# Altium PCB POETIC_Processor_V2.PcbDoc (part 2 of 4)
Units mm, origin at the board's own origin, x right, y up, seen from the top; angles counter-clockwise.
Board outline 210 x 100 mm, 4 copper layers (Top Layer, VCC, GND, Bottom Layer), stack 1.64 mm thick; 405 components, 395 nets, 1590 pads, 394 vias.
Unrouted connection lines stored in the file: 21.
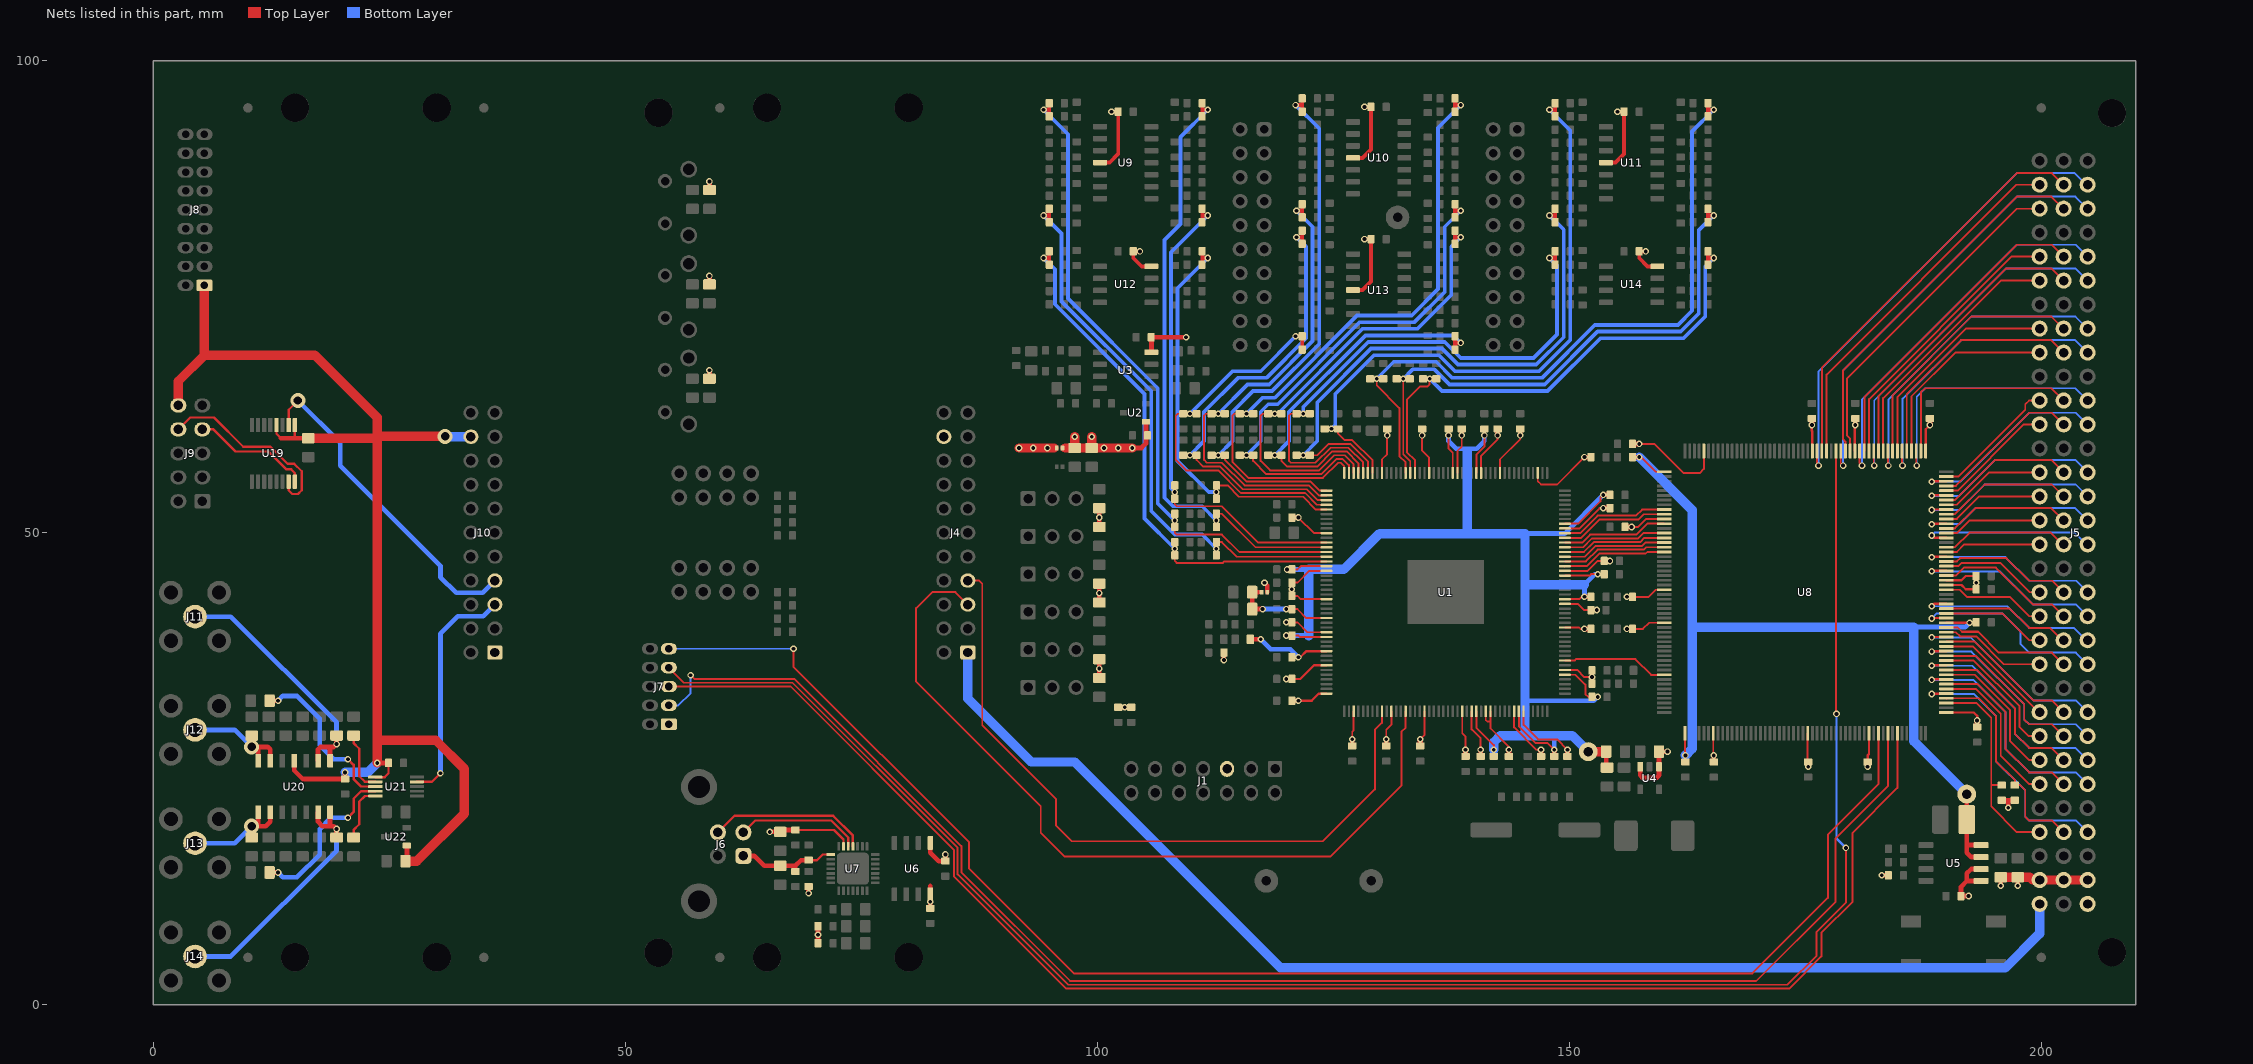
[diagram p4: the nets of this part, all layers, seen from the top]

## Part data
C1 C2 C3 C4 C5 C6 C7 C8 C9 C10 C11 C12 C13 C19 C20 C21 C22 C23 C24 C25 C26 C27 C28 C29 C30 C31 C37 C38 C39 C59 C61 C62 C63 C64 C66 C68 C72 C73 C74 C75 C76 C77 C78 C79 C80 C81 C82 C83 C84 C85 C86 C87 C88 C89 C90 C91 C92 C93 C94 C95 C96 C97 C98 C99 C100 C101 C102 C103 C104 C105 C106 C107 C108 C109 C110 C111 C112 C113 C114 C115 C116 C117 C118 C119 C120 C121 C122 C123 C124 C125 C126 C127 C128 C129 C130 C131 C132 C133 C134 C135 C136 C137 C138 C139 C140 C141 C142 C143 C144 C145 C146 C147 C148 C149 C150 C151 C152 C161 C165 C166: library part Capacitor, "Capacitor X7R 10% 50V 1608(0603)"
C14 C15 C16 C17 C18 C32 C33 C34 C35 C36: library part Capacitor, "Capacitor X7R 10% 10V 1608(0603)"
C41 C42 C44 C45 C47 C49 C50 C53 C54 C55 C56 C57 C58 C65 C67 C159: library part Capacitor, "Capacitor X7R 10% 10V 2012(0805)"
C43 C48 C51 C69 C70 C71 C153 C154 C155 C156 C157 C158 C160 C162 C163 C164: library part Capacitor, "Capacitor X7R 10% 50V 2012(0805)"
C60: library part "Capacitor Polarized", "Capacitor Tantalum 10 % 10V 3528(1311-TAJ-B)"
J1: library part FlatCable2x7, "FlatCable2x7", Manufacturer="Wurth Elektronik", Mouser No.=710-61201421621
J2 J3: library part FlatCable2x10, "FlatCable2x10", Manufacturer="Wurth Elektronik", Mouser No.=710-61202021621
J4 J10: library part PinHeader2x11, "Plug connector"
J5: library part "DIN41612 MALE 3X32 ABC R90", "DIN41612 MALE 3X32 ABC R90", Manufacturer=Harting, Mouser No.=617-09-03-196-6921
J6: library part "USB-B-TH-AMPHENOL UE27-BC54-130", "USB-B-TH-AMPHENOL UE27-BC54-130", Manufacturer="Amphenol ICC", Mouser No.=523-UE27-BC54-130
J7: library part FlatCable2x5, "FlatCable2x5", Manufacturer="Amphenol FCI", Mouser No.=649-98464-G6110ULF
J8: library part FlatCable2x9, "FlatCable2x9", Manufacturer="Amphenol FCI", Mouser No.=649-98464-G61-18ULF
J9: library part FlatCable2x5, "FlatCable2x5", Manufacturer="Wurth Elektronik", Mouser No.=710-61201021721
J11 J12 J13 J14: library part "SMA TH RIGHT ANGLE LINX CONSMA002", "SMA TH RIGHT ANGLE LINX CONSMA002", Manufacturer="Linx Technologies", Mouser No.=712-CONSMA002-G
JP1 JP2 JP3: library part "JUMPER 2 POS", "JUMPER 2 POS"
JP5 JP6 JP7 JP8 JP9 JP10: library part "JUMPER 3 POS", "JUMPER 3 POS"
L1: library part Inductor, "Inductor", Manufacturer="Coiltronics / Eaton", Info="2u2, 4.15A, 16m?", Mouser No.=704-DR73-2R2-R
L2: library part Inductor, "Inductor", Manufacturer=Bourns, Info="220u, 2A, 220?@100Mhz", Mouser No.=652-MH2029-221Y
LD1 LD2 LD3: library part LED, "LED generic"
LD4 LD5: library part "LED Dialight 568-0721-111F", "LED Dialight 568-0721-111F", Manufacturer=Dialight, Mouser No.=645-568-0721-111F
NT3 NT5 NT6: "Connection for 2 different NETNAME"
R1 R2 R3 R4 R5 R6 R7 R8 R9 R10 R11 R12 R13 R14 R15 R16 R18 R19 R20 R21 R22 R23 R24 R25 R26 R27 R28 R29 R39 R40 R41 R42 R43 R44 R45 R46 R47 R48 R49 R50 R51 R52 R53 R54 R55 R56 R57 R58 R59 R60 R61 R62 R63 R64 R65 R66 R67 R68 R69 R70 R71 R72 R73 R74 R75 R76 R77 R78 R79 R80 R81 R82 R83 R84 R85 R86 R87 R88 R89 R90 R91 R92 R93 R94 R95 R96 R97 R98 R99 R100 R101 R102 R103 R104 R105 R106 R107 R108 R109 R110 R111 R112 R113 R114 R115 R116 R117 R118 R119 R120 R121 R122 R123 R124 R125 R126 R127 R128 R129 R130 R131 R132 R133 R134 R135 R136 R137 R138 R139 R140 R141 R142 R143 R144 R145 R146 R147 R148 R149 R150 R151 R152 R153 R154 R155 R156 R157 R158 R159 R160 R161 R162 R163 R164 R165 R166: library part Resistor, "Resistor 1% 50V 100mW 1608(0603)"
R30 R31 R32 R33 R34 R35 R36 R37 R38 R167 R168 R169 R170 R171 R172 R173 R174: library part Resistor, "Resistor 1% 50V 125mW 2012(0805)"
S1: library part "Push Button 4Pins", "Push Button, 4 pins, 2 poles parrallèle", Manufacturer="TE Connectivity / Alcoswitch", Mouser No.=506-FSM2JSMA
S2 S3 S4: library part "Push Button 2Pins", "Push Button, 2 pins", Manufacturer="TE Connectivity / Alcoswitch", Mouser No.=506-FSMRA4JH04
TP1 TP2 TP4: library part "Test Point", "Test Point"
TP6 TP7: library part Hole, "Hole"
U1: library part TMS320F28377S-176P, "TMS320F28377S-176P", Manufacturer="Texas Instruments", Mouser No.=595-MS320F28377SPTPT
U2 U22: library part "REFERENCE SOT23 IN-OUT- GND", "Generic Positive Voltage Reference", Manufacturer="Texas Instruments", Mouser No.=595-REF3130AIDBZTG4
U3 U12 U14: library part "OPA DUAL", "Generic dual OPA 8 pins", Manufacturer="Analog Devices", Mouser No.=584-AD8646ARZ-R7
U4: library part TPS6226x, "2.25-MHz 600-mA Step Down Converter in 2 x 2 SOT Package", Manufacturer="Texas Instruments", Mouser No.=595-TPS62262DDCT
U5: library part TPS766__D, "Ultra Low Quiescent Current 250mA, Low Dropout Regulator", Manufacturer="Texas Instruments", Mouser No.=595-TPS76618DR
U6: library part SI8422, "Optocoupler", Manufacturer="Silicon Labs", Mouser No.=634-SI8422AB-D-ISR
U7: library part CP2102N, "USBXpress", Manufacturer="Silicon Labs", Mouser No.=634-CP2102NA01GQFN28
U8: library part XC2C256-PQFP208, "XC2C256 CoolRunner-II CPLD", Manufacturer=Xilinx, Digikey No.=122-1411-ND
U9 U10 U11 U13 U20: library part "OPA QUAD", "Generic quad OPA 14 pins", Manufacturer="Analog Devices", Mouser No.=584-AD8648ARZ-R7
U19: library part DS90LV047A, "DS90LV047A 3-V LVDS Quad CMOS Differential Line Driver", Manufacturer="Texas Instruments", Mouser No.=926-DS90LV047ATMTCNO
U21: library part DAC124S085CIMM, "DAC124S085 12-Bit Micro Power Quad Digital-to-Analog Converter With Rail-to-Rail Output", Manufacturer="Texas Instruments", Mouser No.=926-DAC124S085CIMMNO
X1: library part "Quartz HC49/4H SMX", "Quartz HC49/4H SMX"
Z1 Z2 Z3 Z4 Z5 Z6 Z7 Z8: library part FIDUCIAL, "FIDUCIAL Din 1mm Dout 3mm"

## Free pads (board coordinates)
  round 3 hole 3: 0(53.5,5.5) 0(53.5,94.5) 0(65,5) 0(65,95) 0(80,5) 0(80,95) 5(15,5) 6(30,5) 7(15,95) 8(30,95)

## Via types
v1: diameter 0.7, hole 0.4, Top Layer to Bottom Layer, tented both sides, 343 vias
v2: diameter 0.7, hole 0.3, Top Layer to Bottom Layer, tented both sides, 42 vias
v3: diameter 1.6, hole 0.9, Top Layer to Bottom Layer, tented both sides, 9 vias

## Nets (pads, with @x,y where several pads share a name; then routed paths per layer and width w, separated by ;. In a path a pad name is that pad's centre, name@x,y a point inside that pad or via, vN(x,y) a via of type N, cw(c..) or ccw(c..) an arc to the next point about the centre after c; other vN are vias at no path point)
+1V2: C14.2 C15.2 C16.2 C17.2 C18.2 C32.2 C33.2 C34.2 C35.2 C36.2 C58.2 L2.2 TP6.1 U1.16 U1.21 U1.61 U1.76 U1.117 U1.126 U1.137 U1.153 U1.158 U1.169 | length 162.6
  Top Layer w0.2: C36.2@120.6,39.1 121.3,39.1 121.45,38.95 U1.76@124.275,38.95 ; C17.2@120.6,46.1 121.2,46.1 121.55,46.45 U1.61@124.275,46.45 ; v1(137.2,60.3) 137.2,58.9 137.65,58.45 U1.21@137.65,56.325 ; U1.117@140.15,31.075 140.15,29.35 142,27.5 v1(142,27) ; U1.16@140.15,56.325 140.15,58.25 141,59.1 v1(141,60.3) ; U1.126@144.65,31.075 144.65,29.496 146.446,27.7 147.7,27.7 v1(148.4,27) ; U1.137@149.525,34.95 150.65,34.95 151.7,33.9 151.7,32.9 152,32.6 C32.2@152.4,32.6 v1(153,32.6) ; U1.153@149.525,42.95 151.05,42.95 151.3,43.2 v1(151.6,43.2) ; U1.158@149.525,45.45 152.15,45.45 152.3,45.6 v1(153,45.6) ; U1.169@149.525,50.95 150.95,50.95 153.3,53.3 153.3,53.7 v1(153.6,54)
  Top Layer w0.5: v1(120,39.1) C36.2@120.6,39.1 ; v1(120.1,46.1) C17.2@120.6,46.1 ; C15.2@148.4,26.3 v1(148.4,27) ; v1(151.6,43.2) C34.2@152.3,43.2 ; v1(153.6,54) C33.2@154.3,54 ; C58.2@153.9,26.8 153.9,25.2 L2.2@154,25.1
  Top Layer w1: TP6.1@152,26.8 C58.2@153.9,26.8
  Bottom Layer w0.5: v1(120,39.1) 122.4,39.1 ; v1(120.1,46.1) 122.4,46.1 ; v1(137.2,60.3) 137.2,59.7 138,58.9 140.2,58.9 141,59.7 v1(141,60.3) ; 145.3,32.2 152.6,32.2 v1(153,32.6) ; 145.3,49.9 149.5,49.9 v1(153.6,54) ; v1(148.4,27) 148.4,28.5 ; v1(151.6,43.2) 151.6,44.5 152.7,45.6 v1(153,45.6)
  Bottom Layer w1: 122.4,39.1 122.4,46.1 126.1,46.1 129.9,49.9 139.2,49.9 ; 139.2,58.6 139.2,49.9 ; v1(142,27) 142,27.8 142.7,28.5 148.4,28.5 150.3,28.5 TP6.1@152,26.8 ; 145.3,28.9 145.3,32.2 145.3,44.5 ; 151.6,44.5 145.3,44.5 ; 139.2,49.9 145.3,49.9 145.3,44.5
+1V8_D: C60.1 C78.2 C86.2 C87.2 TP7.1 U5.7 U5.8 U8.1 U8.53 U8.124 | length 102.8
  Top Layer w0.2: v1(157.4,58) 157.6,58 159.15,56.45 U8.1@160.05,56.45
  Top Layer w0.25: v1@162.25,26.4 U8.53@162.25,28.75 ; U8.124@189.95,40.45 v1(192.4,40.45) 193.05,40.45 C78.2@193.1,40.5
  Top Layer w0.5: C86.2@156.7,58 v1(157.4,58) ; TP7.1@192.1,22.3 C60.1@192.1,19.6 192.1,16.905 ; U5.7@193.621,15.635 192.565,15.635 192.1,16.1 192.1,16.905 ; U5.8@193.621,16.905 192.1,16.905
  Bottom Layer w0.5: 186.5,40 191.95,40 v1(192.4,40.45)
  Bottom Layer w1: v1(157.4,58) 163,52.4 163,40 ; v1(162.3,26.4) 163,27.1 163,40 ; TP7.1@192.1,22.3 186.5,27.9 186.5,40 163,40
+3V3_A: C19.2 C37.2 C39.2 C50.1 C51.1 C59.2 C112.2 C113.2 C138.2 C139.2 C152.2 C166.2 NT5.2 U1.36 U1.54 U2.1 U3.8 U9.4 U10.4 U11.4 U12.8 U13.4 U14.8 | length 65.4
  Top Layer w0.2: v1(121.3,51.6) 122.95,49.95 U1.54@124.275,49.95 ; U1.36@130.15,56.325 130.15,57.75 130.7,58.3 v1(130.7,60.3) C19.2@130.7,61
  Top Layer w0.4: U9.4@100.275,89.2 101.3,89.2 102.2,90.1 C112.2@102.2,94.6 v1(101.5,94.6) ; v1(104.5,79.8) C139.2@103.8,79.8 103.8,79.1 104.695,78.205 U12.8@105.725,78.205 ; U10.4@127.073,89.7 128.1,89.7 129,90.6 C113.2@129,95.1 v1(128.3,95.1) ; U13.4@127.075,75.7 128.1,75.7 129,76.6 C138.2@129,81.1 v1(128.3,81.1) ; U11.4@153.875,89.2 154.9,89.2 155.8,90.1 C152.2@155.8,94.6 v1(155.1,94.6) ; v1(158.1,79.8) C166.2@157.4,79.8 157.4,79.1 158.295,78.205 U14.8@159.325,78.205
  Top Layer w0.5: v1(103.7,58.97) 104.665,58.97 105.15,59.455 U2.1@105.15,61.75 ; U3.8@105.725,69.105 105.725,70.7 v1(109.4,70.7) ; C37.2@120.6,51.6 v1(121.3,51.6)
  Top Layer w1: 96.6,58.97 C51.1@97.6,58.97 ; v1(97.6,60.17) C51.1@97.6,58.97 ; v1(99.4,60.16) C50.1@99.4,58.97 ; v1(103.7,58.97) v1(102.2,58.97) v1(100.7,58.97) C50.1@99.4,58.97 ; C51.1@97.6,58.97 C50.1@99.4,58.97
+3V3_D: C3.2 C4.2 C5.2 C6.2 C7.2 C8.2 C9.2 C10.2 C11.2 C12.2 C20.2 C21.2 C22.2 C23.2 C24.2 C25.2 C26.2 C27.2 C28.2 C29.2 C30.2 C31.2 C38.2 C42.1 C43.1 C56.2 C61.1 C63.2 C72.2 C73.2 C74.2 C75.2 C76.2 C77.2 C79.2 C80.2 C81.2 C82.2 C83.2 C84.2 C85.2 C153.2 C158.2 C161.2 C165.2 J1.5 J4.20 J5.A31 J5.A32 J5.B31 J5.C31 J7.1 J8.1 J9.10 J10.20 NT3.1 NT5.1 R1.2 R2.2 R9.2 R10.2 R11.2 R15.2 R23.2 R30.2 R31.2 R32.2 R33.2 R34.2 R35.2 R36.2 R37.1 R38.1 U1.3 U1.11 U1.15 U1.20 U1.26 U1.62 U1.68 U1.75 U1.82 U1.88 U1.91 U1.99 U1.106 U1.114 U1.116 U1.119 U1.120 U1.125 U1.127 U1.138 U1.147 U1.152 U1.159 U1.168 U4.1 U4.3 U5.5 U5.6 U6.1 U8.11 U8.26 U8.33 U8.59 U8.79 U8.92 U8.105 U8.132 U8.133 U8.157 U8.172 U8.181 U8.204 U19.1 U19.4 U20.4 U21.1 U22.1 | length 357.6
  Top Layer w0.2: C10.2@120.6,40.5 121.2,40.5 122.25,39.45 U1.75@124.275,39.45 ; C9.2@120.6,43.3 121.2,43.3 121.55,42.95 U1.68@124.275,42.95 ; C8.2@120.6,44.7 121.2,44.7 122.45,45.95 U1.62@124.275,45.95 ; C21.2@127,27.4 127,28.9 127.15,29.05 U1.91@127.15,31.075 ; C22.2@130.6,27.4 130.6,29.1 131.15,29.65 U1.99@131.15,31.075 ; v1(134.2,28.1) 134.65,28.55 U1.106@134.65,31.075 ; C7.2@134.4,61 v1(134.4,60.3) 134.4,58.7 135.15,57.95 U1.26@135.15,56.325 ; U1.20@138.15,56.325 138.15,58.65 138.6,59.1 v1(138.6,60.3) ; U1.114@138.65,31.075 138.65,28.75 139,28.4 v1(139,27) ; U1.116@139.65,31.075 139.65,29.15 140.6,28.2 v1(140.6,27) ; U1.15@140.65,56.325 140.65,58.15 142.4,59.9 v1(142.4,60.3) ; U1.119@141.15,31.075 141.15,30.15 141.3,30 141.65,30 ; U1.120@141.65,31.075 141.65,30 ; U1.11@142.65,56.325 142.65,57.75 144.8,59.9 v1(144.8,60.3) ; v1(143.6,27) 143.6,27.3 141.65,29.25 141.65,30 ; U1.125@144.15,31.075 144.15,29.359 146.509,27 146.8,27 v1@146.9,26.9 ; U1.127@145.15,31.075 145.15,29.632 146.682,28.1 148.7,28.1 v1(149.8,27) C26.2@149.8,26.3 ; U1.3@146.65,56.325 146.65,55.45 147,55.1 148.7,55.1 v1(151.6,58) ; U1.138@149.525,35.45 150.85,35.45 151.6,34.7 v1@152.3,34.7 ; U1.147@149.525,39.95 151.05,39.95 151.2,39.8 C28.2@152.3,39.8 ; U1.152@149.525,42.45 150.916,42.45 151.566,41.8 C29.2@152.3,41.8 v1(152.9,41.8) ; U1.159@149.525,45.95 151.95,45.95 153,47 v1(154.3,47) ; U1.168@149.525,50.45 149.55,50.425 151.025,50.425 153.2,52.6 v1(153.6,52.6) ; v1(156.1,39.8) C85.2@156.7,39.8 157.8,39.8 158.45,40.45 U8.33@160.05,40.45 ; v1(156.1,43.2) C73.2@156.7,43.2 158.4,43.2 159.15,43.95 U8.26@160.05,43.95 ; v1(156.6,50.6) 157.3,50.6 158.15,51.45 U8.11@160.05,51.45 ; v1(157.4,59.4) 159,59.4 162.1,56.3 163.8,56.3 164.25,56.75 U8.204@164.25,58.65 ; v1@165.25,26.15 U8.59@165.25,28.75 ; v1@175.25,25.2 U8.79@175.25,28.75
  Top Layer w0.25: U19.4@13.025,61.4 13.025,60.475 13.5,60 ; 14.975,60 U19.1@14.975,61.4 ; U21.1@23.5,24.1 24.5,24.1 24.9,24.5 C161.2@24.9,25.6 ; v1(120,34.5) 121.5,34.5 122.95,35.95 U1.82@124.275,35.95 ; v1(121.3,32.2) 122.7,32.2 123.45,32.95 U1.88@124.275,32.95 ; v1(175.7,61.4) 175.7,60.8 175.75,60.75 U8.181@175.75,58.65 ; U8.172@180.25,58.65 v1@180.25,61.25 ; v1(181.6,25.2) 181.6,26.4 181.75,26.55 U8.92@181.75,28.75 ; U8.157@187.75,58.65 187.75,60.95 v1(188.2,61.4) ; U8.105@189.95,30.95 192.85,30.95 193.2,30.6 v1(193.2,30.1) ; U8.132@189.95,44.45 191.55,44.45 192,44 C84.2@193.1,44 ; U8.133@189.95,44.95 191.55,44.95 192,45.4 C82.2@193.1,45.4
  Top Layer w0.5: 13.5,60 14.975,60 C153.2@16.4,60 ; U20.4@14.899,25.825 14.899,24.801 15.8,23.9 C165.2@20.299,23.9 v1@20.299,24.6 ; v1(23.7,25.6) C161.2@24.9,25.6 ; C158.2@26.7,15.2 26.85,15.35 U22.1@26.85,16.85 ; R32.2@58.9,66.3 v1(58.9,67.2) ; R31.2@58.9,76.3 v1(58.9,77.2) ; R30.2@58.9,86.3 v1(58.9,87.2) ; U6.1@82.305,17.125 82.305,16.095 83.2,15.2 C63.2@83.9,15.2 v1(83.9,15.9) ; R37.1@100.2,34.6 v1(100.2,35.6) R38.1@100.2,36.6 ; R33.2@100.2,42.6 v1(100.2,43.6) R34.2@100.2,44.6 ; R35.2@100.2,50.6 v1(100.2,51.6) R36.2@100.2,52.598 ; R10.2@102.2,31.5 R9.2@103.6,31.5 v1(102.9,31.5) ; v1(113.4,36.5) R2.2@113.4,37.3 ; v1(117.7,44.7) 118,44.4 NT3.1@118,43.7 ; v1(120,40.5) C10.2@120.6,40.5 ; C12.2@120.6,32.2 v1(121.3,32.2) ; C9.2@120.6,43.3 v1(120.6,44) C8.2@120.6,44.7 ; C21.2@127,27.4 v1(127,28.1) ; C22.2@130.6,27.4 v1(130.6,28.1) ; v1(138.6,60.3) C6.2@138.6,61 ; C24.2@139,26.3 v1(139,27) ; C25.2@140.6,26.3 v1(140.6,27) ; v1(142.4,60.3) C5.2@142.4,61 ; C20.2@143.6,26.3 v1(143.6,27) ; v1(144.8,60.3) C4.2@144.8,61 ; C38.2@147,26.3 v1(147,27) ; C26.2@149.8,26.3 v1(149.8,27) ; v1(151.6,39.8) C28.2@152.3,39.8 ; v1(151.6,58) C3.2@152.3,58 ; v1(153.6,52.6) C31.2@154.3,52.6 ; C72.2@155.9,50.6 v1(156.6,50.6) ; C83.2@156.7,59.4 v1(157.4,59.4) ; U4.3@157.5,25.2 157.5,24.3 157.8,24 159.2,24 159.5,24.3 U4.1@159.5,25.2 C56.2@159.5,26.8 v1(160.4,26.8) ; C74.2@165.3,25.7 v1(165.3,26.4) ; v1(175.7,61.4) C81.2@175.7,62.1 ; v1(180.3,61.4) C80.2@180.3,62.1 ; v1(183.1,13.7) R23.2@183.8,13.7 ; v1(188.2,61.4) C79.2@188.2,62.1 ; v1(192.3,11.5) C61.1@191.5,11.5 191.5,12.495 192.1,13.095 ; C77.2@193.2,29.4 v1(193.2,30.1) ; U5.5@193.621,13.095 192.1,13.095 ; U5.6@193.621,14.365 192.565,14.365 192.1,13.9 192.1,13.095 ; v1(195.7,12.6) C42.1@195.7,13.5 C43.1@197.5,13.5 v1(197.5,12.6) ; R15.2@195.8,21.65 196.5,21.65 ; v1(196.5,20.85) 196.5,21.65 ; R11.2@197.2,21.65 196.5,21.65
  Top Layer w0.54: C23.2@134.2,27.4 v1(134.2,28.1)
  Top Layer w1: J9.10@2.63,63.48 2.63,66.03 5.4,68.8 ; J8.1@5.4,76.2 5.4,68.8 ; C153.2@16.4,60 23.7,60 ; v1(23.7,25.6) 23.7,28 ; C158.2@26.7,15.2 27.9,15.2 32.9,20.2 32.9,25 29.9,28 23.7,28 ; v3(30.9,60.2) 23.7,60.2 ; v1(91.7,58.97) v1(93.2,58.97) v1(94.7,58.97) 95.4,58.97 ; C42.1@196,13.5 198.8,13.5 199.1,13.2 J5.C31@199.82,13.2 J5.B31@202.36,13.2 J5.A31@204.9,13.2 ; 5.4,68.8 17.1,68.8 23.7,62.2 23.7,60.2 ; 23.7,28 23.7,60 ; 23.7,60 23.7,60.2
  Bottom Layer w1: v1(20.3,24.6) 22.7,24.6 v1(23.7,25.6) ; v3(30.9,60.2) 30.94,60.16 J10.20@33.63,60.16
  other v1: 175.3,25.2 152.4,34.7 193.1,44.7
+3V3_F: C13.2 C47.1 C48.1 NT3.2 U1.72 | length 10.8
  Top Layer w0.2: C13.2@120.6,41.9 121.2,41.9 122.15,40.95 U1.72@124.275,40.95
  Top Layer w0.5: 117.1,43.7 C48.1@116.4,43.7 C47.1@116.4,41.9 v1(117.5,41.9) ; v1(120,41.9) C13.2@120.6,41.9
  Bottom Layer w0.5: v1(117.5,41.9) v1(120,41.9)
+3V3_USB: C64.2 C67.2 C68.2 R25.2 R26.2 R27.2 U6.8 U7.6 | length 14.8
  Top Layer w0.25: C68.2@68,18.5 72.1,18.5 73.1,17.5 U7.6@73.1,16.75
  Top Layer w0.5: v1(65.3,18.3) C67.2@66.4,18.3 66.6,18.5 C68.2@68,18.5 ; v1(69.4,11.8) R27.2@69.4,12.5 ; v1(70.4,7.4) R25.2@70.4,6.5 R26.2@70.4,8.3 ; C64.2@82.3,10.2 v1(82.3,10.9) ; v1@82.305,10.9 82.305,12.575
+5V_USB: C65.2 C66.2 J6.1 R28.1 U7.8 | length 10.7
  Top Layer w0.253: R28.1@69.4,15.3 70.3,15.3 70.9,15.9 U7.8@71.65,15.9
  Top Layer w0.5: J6.1@62.5,15.75 63.65,15.75 64.7,14.7 C65.2@66.4,14.7 68,14.7 ; C66.2@68,14.1 68,14.7 ; R28.1@69.4,15.3 68.6,15.3 68,14.7
+24V_BP: J4.1 J5.C32 J10.1 | length 134.9
  Bottom Layer w1: J4.1@86.27,37.3 86.27,32.43 93,25.7 97.6,25.7 119.4,3.9 196.2,3.9 199.82,7.52 J5.C32@199.82,10.66
\S\P\I\A\_\S\T\E\: J4.5 J10.5 U1.102 U21.9 | length 111.1
  Top Layer w0.2: J4.5@86.27,42.38 84.95,43.7 82.5,43.7 80.8,42 80.8,34.2 94,21 94,18.2 96.5,15.7 124.7,15.7 132.2,23.2 132.2,28.9 132.65,29.35 U1.102@132.65,31.075
  Top Layer w0.25: U21.9@27.9,23.6 29.5,23.6 v1(30.4,24.5)
  Bottom Layer w0.5: v1(30.4,24.5) 30.4,39.3 32.23,41.13 34.92,41.13 J10.5@36.17,42.38
\S\P\I\C\_\S\T\E\: J4.7 J10.7 U1.97 U19.2 | length 110.8
  Top Layer w0.2: J4.7@86.27,44.92 87.48,44.92 87.8,44.6 87.8,29.6 95.6,21.8 95.6,19 97.3,17.3 123.9,17.3 129.4,22.8 129.4,29.1 130.15,29.85 U1.97@130.15,31.075
  Top Layer w0.25: U19.2@14.325,61.4 14.325,63.025 v3(15.3,64)
  Bottom Layer w0.5: v3(15.3,64) 19.8,59.5 19.8,57.1 30.4,46.5 30.4,45.3 32.07,43.63 34.88,43.63 J10.7@36.17,44.92
\S\P\I\C\_\S\T\E\_\+\: J9.8 U19.15 | length 20.6
  Top Layer w0.25: J9.8@2.63,60.94 3.89,62.2 6.4,62.2 9.5,59.1 12.4,59.1 14.2,57.3 14.9,57.3 15.7,56.5 15.7,54.5 15.3,54.1 14.7,54.1 14.325,54.475 U19.15@14.325,55.4
\S\P\I\C\_\S\T\E\_\-\: J9.7 U19.16 | length 12.6
  Top Layer w0.25: J9.7@5.17,60.94 6.36,60.94 8.7,58.6 12.2,58.6 14.1,56.7 14.6,56.7 14.975,56.325 U19.16@14.975,55.4
ADC_14: C117.2 R96.2 R100.2 R104.1 U1.44 | length 69.5
  Top Layer w0.2: R104.1@116.5,62.6 C117.2@115.1,62.6 114.5,62.6 114.3,62.4 114.3,57.5 116,55.8 123.9,55.8 125.5,57.4 125.8,57.4 126.15,57.05 U1.44@126.15,56.325
  Top Layer w0.4: R96.2@137.9,94.6 137.9,95.3 ; R100.2@137.9,96 137.9,95.3 ; v1(138.5,95.3) 137.9,95.3
  Bottom Layer w0.4: v1(115.8,62.6) 117.5,64.3 118.8,64.3 127.5,73 133.3,73 136.1,75.8 136.1,92.9 v1(138.5,95.3)
ADC_15: C102.2 R71.2 R75.2 R79.1 U1.45 | length 59.9
  Top Layer w0.2: C102.2@113.5,58.2 113.5,57.7 115.8,55.4 122.6,55.4 123.55,54.45 U1.45@124.275,54.45
  Top Layer w0.4: R79.1@112.1,58.2 C102.2@113.5,58.2 ; v1(121,95.3) 121.7,95.3 ; R71.2@121.7,94.6 121.7,95.3 ; R75.2@121.7,96 121.7,95.3
  Bottom Layer w0.4: v1(112.8,58.2) 114.3,59.7 114.3,62.8 116.5,65 118.5,65 123.5,70 123.5,92.8 v1(121,95.3)
ADC_A0: C123.2 R108.2 R112.2 R116.1 U1.43 | length 54.4
  Top Layer w0.2: C123.2@116.5,58.2 116.5,57.6 117.9,56.2 123.7,56.2 125.3,57.8 126,57.8 126.65,57.15 U1.43@126.65,56.325
  Top Layer w0.4: R112.2@137.9,83.4 137.9,84.1 ; R108.2@137.9,84.8 137.9,84.1 ; v1(138.5,84.1) 137.9,84.1
  Bottom Layer w0.4: v1(115.8,58.2) 117.3,59.7 117.3,62.8 118.1,63.6 119.1,63.6 127.8,72.3 133.6,72.3 136.8,75.5 136.8,82.4 v1(138.5,84.1)
ADC_A1: C141.2 R143.2 R145.2 R147.1 U1.42 | length 51.8
  Top Layer w0.2: C141.2@118.1,62.6 117.5,62.6 117.3,62.4 117.3,57.6 118.3,56.6 123.5,56.6 125.1,58.2 126.2,58.2 127.15,57.25 U1.42@127.15,56.325
  Top Layer w0.4: C141.2@118.1,62.6 R147.1@119.5,62.6 ; R143.2@137.9,80.6 137.9,81.3 ; R145.2@137.9,82 137.9,81.3 ; v1(138.5,81.3) 137.9,81.3
  Bottom Layer w0.4: v1(118.8,62.6) 119.1,62.6 128.1,71.6 133.9,71.6 137.5,75.2 137.5,80.3 v1(138.5,81.3)
ADC_A2: C144.2 R149.2 R151.2 R153.1 U1.41 | length 42.4
  Top Layer w0.2: C144.2@119.5,58.2 119.5,57.6 120.1,57 123.3,57 124.9,58.6 126.4,58.6 127.65,57.35 U1.41@127.65,56.325
  Top Layer w0.4: R153.1@118.1,58.2 v1(118.8,58.2) ; R151.2@137.9,69.4 137.9,70.1 ; R149.2@137.9,70.8 137.9,70.1 ; v1(138.5,70.1) 137.9,70.1 ; v1(118.8,58.2) C144.2@119.5,58.2 v1(118.8,58.2)
  Bottom Layer w0.4: v1(118.8,58.2) 120.3,59.7 120.3,62.8 128.4,70.9 137.7,70.9 v1(138.5,70.1)
ADC_A3: C147.2 R155.2 R157.2 R159.1 U1.40 | length 60.8
  Top Layer w0.2: R159.1@122.5,62.6 C147.2@121.1,62.6 120.5,62.6 120.3,62.4 120.3,57.6 120.5,57.4 123.1,57.4 124.7,59 126.6,59 128.15,57.45 U1.40@128.15,56.325
  Top Layer w0.4: C147.2@121.1,62.6 v1(121.8,62.6) ; v1(147.9,79.1) 148.5,79.1 ; R155.2@148.5,78.4 148.5,79.1 ; R157.2@148.5,79.8 148.5,79.1
  Bottom Layer w0.4: v1(121.8,62.6) 121.8,63.3 128.7,70.2 136.8,70.2 138.5,68.5 146.2,68.5 148.7,71 148.7,78.3 v1(147.9,79.1)
ADC_A4: C129.2 R120.2 R124.2 R128.1 U1.39 | length 62.8
  Top Layer w0.2: v1(121.8,58.2) 123.3,58.2 124.5,59.4 126.8,59.4 128.65,57.55 U1.39@128.65,56.325
  Top Layer w0.4: R128.1@121.1,58.2 C129.2@122.5,58.2 ; v1(147.9,83.6) 148.5,83.6 ; R124.2@148.5,82.9 148.5,83.6 ; R120.2@148.5,84.3 148.5,83.6
  Bottom Layer w0.4: v1(121.8,58.2) 123.3,59.7 123.3,63.8 129,69.5 136.5,69.5 138.2,67.8 146.5,67.8 149.4,70.7 149.4,82.1 v1(147.9,83.6)
ADC_A5: C134.2 R131.2 R135.2 R139.1 U1.38 | length 67.9
  Top Layer w0.2: C134.2@125.5,61 125.5,60.5 126.2,59.8 127,59.8 129.15,57.65 U1.38@129.15,56.325
  Top Layer w0.4: R139.1@124.1,61 v1(124.8,61) C134.2@125.5,61 ; v1(147.9,94.8) 148.5,94.8 ; R131.2@148.5,94.1 148.5,94.8 ; R135.2@148.5,95.5 148.5,94.8
  Bottom Layer w0.4: v1(124.8,61) 125.2,61.4 125.2,64.7 129.3,68.8 136.2,68.8 137.9,67.1 146.8,67.1 150.1,70.4 150.1,92.6 v1(147.9,94.8)
ADC_B0: C108.2 R83.2 R87.2 R91.1 U1.46 | length 51.2
  Top Layer w0.2: R91.1@113.5,62.6 v1(112.8,62.6) C108.2@112.1,62.6 111.5,62.6 111.3,62.4 111.3,57.7 111.6,57.4 113.2,57.4 115.6,55 122.4,55 123.45,53.95 U1.46@124.275,53.95
  Top Layer w0.4: v1(121.1,84.1) 121.7,84.1 ; R87.2@121.7,83.4 121.7,84.1 ; R83.2@121.7,84.8 121.7,84.1
  Bottom Layer w0.4: v1(112.8,62.6) 115.9,65.7 118.2,65.7 122.8,70.3 122.8,82.4 v1(121.1,84.1)
ADC_B1: C103.2 R72.2 R76.2 R80.1 U1.47 | length 49.8
  Top Layer w0.2: C103.2@110.5,58.2 110.5,57.7 111.2,57 113,57 115.4,54.6 122.2,54.6 123.35,53.45 U1.47@124.275,53.45
  Top Layer w0.4: R80.1@109.1,58.2 v1(109.8,58.2) C103.2@110.5,58.2 ; v1(121.1,81.3) 121.7,81.3 ; R72.2@121.7,80.6 121.7,81.3 ; R76.2@121.7,82 121.7,81.3
  Bottom Layer w0.4: v1(109.8,58.2) 111.3,59.7 111.3,62.8 114.9,66.4 117.9,66.4 122.1,70.6 122.1,80.3 v1(121.1,81.3)
ADC_B2: C109.2 R84.2 R88.2 R92.1 U1.48 | length 41.6
  Top Layer w0.2: R92.1@110.5,62.6 C109.2@109.1,62.6 108.5,62.6 108.3,62.4 108.3,57.7 109.4,56.6 112.8,56.6 115.2,54.2 122,54.2 123.25,52.95 U1.48@124.275,52.95
  Top Layer w0.4: v1(121,70.8) R84.2@121.7,70.8 R88.2@121.7,69.4
  Bottom Layer w0.4: v1(109.8,62.6) 114.3,67.1 117.3,67.1 v1(121,70.8)
ADC_B3: C116.2 R95.2 R99.2 R103.1 U1.49 | length 44.4
  Top Layer w0.2: C116.2@112.6,55 113.8,55 115,53.8 121.8,53.8 123.15,52.45 U1.49@124.275,52.45
  Top Layer w0.4: R95.2@111.1,78.4 111.1,79.1 ; R99.2@111.1,79.8 111.1,79.1 ; v1(111.7,79.1) 111.1,79.1 ; R103.1@112.6,53.6 C116.2@112.6,55
  Bottom Layer w0.4: v1(111.7,79.1) 108.5,75.9 108.5,57.6 111.8,54.3 v1(112.6,54.3)
ADC_C2: C128.2 R119.2 R123.2 R127.1 U1.31 | length 74
  Top Layer w0.2: v1(129.6,66.3) 129.6,65.6 132,63.2 132,58.1 132.65,57.45 U1.31@132.65,56.325
  Top Layer w0.4: R119.2@164.7,94.1 164.7,94.8 ; R123.2@164.7,95.5 164.7,94.8 ; v1(165.3,94.8) 164.7,94.8
  Top Layer w0.5: v1(129.6,66.3) C128.2@130.3,66.3
  Bottom Layer w0.4: v1(129.6,66.3) 131.4,68.1 135.9,68.1 137.6,66.4 147.1,66.4 152.7,72 161.5,72 163,73.5 163,92.5 v1(165.3,94.8)
ADC_C3: C135.2 R132.2 R136.2 R140.1 U1.30 | length 58.8
  Top Layer w0.2: v1(132.4,66.3) 132.4,65.7 132.4,58.3 133.15,57.55 U1.30@133.15,56.325
  Top Layer w0.4: R136.2@164.7,82.9 164.7,83.6 ; R132.2@164.7,84.3 164.7,83.6 ; v1(165.3,83.6) 164.7,83.6
  Bottom Layer w0.4: v1(132.4,66.3) 133.4,67.3 135.7,67.3 137.3,65.7 147.4,65.7 153,71.3 161.8,71.3 163.7,73.2 163.7,82 v1(165.3,83.6)
ADC_C4: C150.2 R161.2 R163.2 R165.1 U1.29 | length 54.9
  Top Layer w0.2: U1.29@133.65,56.325 133.65,57.65 132.8,58.5 132.8,64.1 134.2,65.5 135,65.5 135.2,65.7 v1(135.2,66.3) ; R165.1@134.5,66.3 v1(135.2,66.3) ; C150.2@135.9,66.3 v1(135.2,66.3)
  Top Layer w0.4: R161.2@164.7,78.4 164.7,79.1 ; R163.2@164.7,79.8 164.7,79.1 ; v1@165.3,79 v1(165.3,79.1) 164.7,79.1
  Bottom Layer w0.4: v1(135.2,66.3) 136.5,65 147.7,65 153.3,70.6 162.1,70.6 164.4,72.9 164.4,78.2 v1(165.3,79.1)
ADC_D0: C91.2 R48.2 R52.2 R56.1 U1.56 | length 53.5
  Top Layer w0.2: R56.1@108.2,55 v1(108.2,54.3) C91.2@108.2,53.6 108.2,53 108.4,52.8 113.2,52.8 117.05,48.95 U1.56@124.275,48.95
  Top Layer w0.4: R48.2@111.1,84.3 R52.2@111.1,82.9 111.1,83.6 v1(111.7,83.6)
  Bottom Layer w0.4: v1(108.2,54.3) 107.8,54.7 107.8,79.7 v1(111.7,83.6)
ADC_D1: C96.2 R59.2 R63.2 R67.1 U1.57 | length 66.7
  Top Layer w0.2: C96.2@112.6,52 113.2,52 116.75,48.45 U1.57@124.275,48.45
  Top Layer w0.4: R63.2@111.1,95.5 R59.2@111.1,94.1 111.1,94.8 v1(111.7,94.8) ; R67.1@112.6,50.6 C96.2@112.6,52
  Bottom Layer w0.4: v1(111.7,94.8) 108.8,91.9 108.8,82.7 107.1,81 107.1,53.7 108,52.8 111.1,52.8 v1(112.6,51.3)
ADC_D2: C90.2 R47.2 R51.2 R55.1 U1.58 | length 70.4
  Top Layer w0.2: R55.1@108.2,52 108.2,50 108.4,49.8 113.2,49.8 115.05,47.95 U1.58@124.275,47.95
  Top Layer w0.4: v1(94.3,94.8) 94.2,94.8 94.9,94.8 ; R47.2@94.9,94.1 94.9,94.8 ; R51.2@94.9,95.5 94.9,94.8
  Bottom Layer w0.4: v1(94.3,94.8) 96.9,92.2 96.9,74.8 106.4,65.3 106.4,53.1 v1(108.2,51.3)
ADC_D3: C97.2 R60.2 R64.2 R68.1 U1.59 | length 60.3
  Top Layer w0.2: C97.2@112.6,49 113.2,49 114.75,47.45 U1.59@124.275,47.45 U1.59@124.275,47.425
  Top Layer w0.4: v1(94.3,83.6) 94.9,83.6 ; R64.2@94.9,82.9 94.9,83.6 ; R60.2@94.9,84.3 94.9,83.6 ; R68.1@112.6,47.6 C97.2@112.6,49
  Bottom Layer w0.4: v1(94.3,83.6) 96.2,81.7 96.2,74.5 105.7,65 105.7,52.3 108.2,49.8 111.1,49.8 v1(112.6,48.3)
ADC_D4: C122.2 R107.2 R111.2 R115.1 U1.60 | length 56.8
  Top Layer w0.2: R115.1@108.2,49 C122.2@108.2,47.6 108.2,47 108.4,46.8 113.3,46.8 113.45,46.95 U1.60@124.275,46.95
  Top Layer w0.4: v1(94.3,79.1) 94.9,79.1 ; R107.2@94.9,78.4 94.9,79.1 ; R111.2@94.9,79.8 94.9,79.1
  Bottom Layer w0.4: v1(94.3,79.1) 95.5,77.9 95.5,74.2 105,64.7 105,51.5 v1(108.2,48.3)
BN_EN: J5.A29 U8.109 | length 28.6
  Top Layer w0.25: v1(188.4,32.9) 188.45,32.95 U8.109@189.95,32.95
  Bottom Layer w0.2: v1(188.4,32.9) 192.9,32.9 195.2,30.6 195.2,25.8 198.3,22.7 198.3,19.9 198.7,19.5 203.68,19.5 J5.A29@204.9,18.28
BN_ERROR_R: J5.C29 R15.1 U8.107 | length 22.1
  Top Layer w0.2: U8.107@189.95,31.95 193.15,31.95 194.7,30.4 194.7,23.25 ; R15.1@195.8,23.25 194.7,23.25 ; J5.C29@199.82,18.28 197.42,18.28 194.7,21 194.7,23.25
BN_ERROR_W: J5.B29 R11.1 U8.108 | length 23.1
  Top Layer w0.2: U8.108@190,32.4 U8.108@189.95,32.45 193.35,32.45 195.2,30.6 195.2,25.8 197.2,23.8 R11.1@197.2,23.25 197.75,23.25 198.3,22.7 198.3,19.9 198.7,19.5 201.14,19.5 J5.B29@202.36,18.28
BN_MASTER_RST: J5.C27 U8.110 | length 16.7
  Top Layer w0.2: U8.110@189.95,33.45 193.05,33.45 195.7,30.8 195.7,26.36 198.7,23.36 J5.C27@199.82,23.36
BP_GPIO_0: J5.A14 U8.151 | length 20.2
  Top Layer w0.25: v1(188.4,53.9) 188.45,53.95 U8.151@189.95,53.95
  Bottom Layer w0.2: v1(188.4,53.9) 191.3,53.9 195.1,57.7 203.58,57.7 J5.A14@204.9,56.38
BP_GPIO_1: J5.A15 U8.148 | length 19.7
  Top Layer w0.25: v1(188.4,52.4) 188.45,52.45 U8.148@189.95,52.45
  Bottom Layer w0.2: v1(188.4,52.4) 191.3,52.4 194,55.1 203.64,55.1 J5.A15@204.9,53.84
BP_GPIO_2: J5.A16 U8.145 | length 19.3
  Top Layer w0.25: v1(188.4,50.9) 188.45,50.95 U8.145@189.95,50.95
  Bottom Layer w0.2: v1(188.4,50.9) 191.3,50.9 193,52.6 203.6,52.6 J5.A16@204.9,51.3
BP_GPIO_3: J5.A17 U8.142 | length 18.8
  Top Layer w0.25: v1(188.4,49.7) 188.65,49.45 U8.142@189.95,49.45
  Bottom Layer w0.2: v1(188.4,49.7) 188.7,50 203.52,50 J5.A17@204.9,48.62
BP_GPIO_4: J5.A19 U8.138 | length 19.6
  Top Layer w0.25: v1(188.4,47.4) 188.45,47.45 U8.138@189.95,47.45
  Bottom Layer w0.2: v1(188.4,47.4) 196.2,47.4 198.7,44.9 203.68,44.9 J5.A19@204.9,43.68
BP_GPIO_5: J5.A20 U8.135 | length 20
  Top Layer w0.25: v1(188.4,45.9) 188.45,45.95 U8.135@189.95,45.95
  Bottom Layer w0.2: v1(188.4,45.9) 195.6,45.9 199.1,42.4 203.64,42.4 J5.A20@204.9,41.14
BP_GPIO_6: J5.A21 U8.128 | length 19.7
  Top Layer w0.25: v1(188.4,42.2) 188.65,42.45 U8.128@189.95,42.45
  Bottom Layer w0.2: v1(188.4,42.2) 196.4,42.2 198.7,39.9 203.46,39.9 J5.A21@204.9,38.46
BP_GPIO_7: J5.A22 U8.125 | length 21.3
  Top Layer w0.25: v1(188.4,40.9) 188.45,40.95 U8.125@189.95,40.95
  Bottom Layer w0.2: v1(188.4,40.9) 188.95,41.45 195.85,41.45 197.8,39.5 197.8,38.2 198.7,37.3 203.66,37.3 J5.A22@204.9,36.06
BP_GPIO_8: J5.A24 U8.121 | length 21.4
  Top Layer w0.25: v1(188.4,38.9) 188.45,38.95 U8.121@189.95,38.95
  Bottom Layer w0.2: v1(188.4,38.9) 192.5,38.9 199.2,32.2 203.68,32.2 J5.A24@204.9,30.98
BP_GPIO_9: J5.A25 U8.118 | length 22.7
  Top Layer w0.25: v1(188.4,37.4) 188.45,37.45 U8.118@189.95,37.45
  Bottom Layer w0.2: v1(188.4,37.4) 192.6,37.4 198.2,31.8 198.2,30.2 198.7,29.7 203.64,29.7 J5.A25@204.9,28.44
BP_GPIO_10: J5.A26 U8.115 | length 23.8
  Top Layer w0.25: v1(188.4,35.9) 188.45,35.95 U8.115@189.95,35.95
  Bottom Layer w0.2: v1(188.4,35.9) 192.7,35.9 197.2,31.4 197.2,28.7 198.7,27.2 203.6,27.2 J5.A26@204.9,25.9
BP_GPIO_11: J5.A27 U8.112 | length 24.9
  Top Layer w0.25: v1(188.4,34.4) 188.45,34.45 U8.112@189.95,34.45
  Bottom Layer w0.2: v1(188.4,34.4) 192.8,34.4 196.2,31 196.2,27.1 198.7,24.6 203.66,24.6 J5.A27@204.9,23.36
BP_GPIO_13: J5.B14 U8.150 | length 14.7
  Top Layer w0.2: U8.150@189.95,53.45 190.85,53.45 195.1,57.7 201.04,57.7 J5.B14@202.36,56.38
BP_GPIO_14: J5.B15 U8.147 | length 14.2
  Top Layer w0.2: U8.147@189.95,51.95 190.85,51.95 194,55.1 201.1,55.1 J5.B15@202.36,53.84
BP_GPIO_15: J5.B16 U8.144 | length 13.8
  Top Layer w0.2: U8.144@189.95,50.45 190.85,50.45 193,52.6 201.06,52.6 J5.B16@202.36,51.3
BP_GPIO_16: J5.B17 U8.140 | length 13.6
  Top Layer w0.2: U8.140@189.95,48.45 190.85,48.45 192.4,50 200.98,50 J5.B17@202.36,48.62
BP_GPIO_17: J5.B19 U8.137 | length 14.1
  Top Layer w0.2: U8.137@189.95,46.95 191.05,46.95 191.4,47.3 196.3,47.3 198.7,44.9 201.14,44.9 J5.B19@202.36,43.68
BP_GPIO_18: J5.B20 U8.134 | length 14.9
  Top Layer w0.2: U8.134@189.95,45.45 190.95,45.45 191.8,46.3 195.2,46.3 199.1,42.4 201.1,42.4 J5.B20@202.36,41.14
BP_GPIO_19: J5.B21 U8.127 | length 13.9
  Top Layer w0.2: U8.127@189.95,41.95 196.65,41.95 198.7,39.9 200.92,39.9 J5.B21@202.36,38.46
BP_GPIO_20: J5.B22 U8.123 | length 14
  Top Layer w0.2: U8.123@189.95,39.95 191.15,39.95 191.6,39.5 ; 193.3,39.5 195.5,37.3 201.12,37.3 J5.B22@202.36,36.06
  Top Layer w0.25: 191.6,39.5 193.3,39.5
BP_GPIO_21: J5.B24 U8.120 | length 15.5
  Top Layer w0.2: U8.120@189.95,38.45 192.95,38.45 199.2,32.2 201.14,32.2 J5.B24@202.36,30.98
BP_GPIO_22: J5.B25 U8.117 | length 16.9
  Top Layer w0.2: U8.117@189.95,36.95 193.05,36.95 198.2,31.8 198.2,30.2 198.7,29.7 201.1,29.7 J5.B25@202.36,28.44
BP_GPIO_23: J5.B26 U8.114 | length 17.9
  Top Layer w0.2: U8.114@189.95,35.45 193.15,35.45 197.2,31.4 197.2,28.7 198.7,27.2 201.06,27.2 J5.B26@202.36,25.9
BP_GPIO_24: J5.B27 U8.111 | length 19.1
  Top Layer w0.2: U8.111@189.95,33.95 193.25,33.95 196.2,31 196.2,27.1 198.7,24.6 201.12,24.6 J5.B27@202.36,23.36
BP_GPIO_26: J5.C14 U8.149 | length 11.3
  Top Layer w0.2: U8.149@189.95,52.95 191.05,52.95 194.48,56.38 J5.C14@199.82,56.38
BP_GPIO_27: J5.C15 U8.146 | length 10.9
  Top Layer w0.2: U8.146@189.95,51.45 191.05,51.45 193.44,53.84 J5.C15@199.82,53.84
BP_GPIO_28: J5.C16 U8.143 | length 10.4
  Top Layer w0.2: U8.143@189.95,49.95 191.05,49.95 192.4,51.3 J5.C16@199.82,51.3
BP_GPIO_29: J5.C17 U8.139 | length 10.2
  Top Layer w0.2: U8.139@189.95,47.95 191.05,47.95 191.86,48.76 J5.C17@199.82,48.76
BP_GPIO_30: J5.C19 U8.136 | length 11.3
  Top Layer w0.2: U8.136@189.95,46.45 191.2,46.45 191.55,46.8 195.66,46.8 198.78,43.68 J5.C19@199.82,43.68
BP_GPIO_31: J5.C20 U8.131 | length 11
  Top Layer w0.2: U8.131@189.95,43.95 191.35,43.95 192.1,43.2 196.68,43.2 198.74,41.14 J5.C20@199.82,41.14
BP_GPIO_32: J5.C21 U8.126 | length 11.1
  Top Layer w0.2: U8.126@189.95,41.45 195.85,41.45 198.7,38.6 J5.C21@199.82,38.6
BP_GPIO_33: J5.C22 U8.122 | length 11.3
  Top Layer w0.2: U8.122@189.95,39.45 190.95,39.45 191.4,39 193.1,39 196.04,36.06 J5.C22@199.82,36.06
BP_GPIO_34: J5.C24 U8.119 | length 12.8
  Top Layer w0.2: U8.119@189.95,37.95 192.75,37.95 199.72,30.98 J5.C24@199.82,30.98
BP_GPIO_35: J5.C25 U8.116 | length 14.5
  Top Layer w0.2: U8.116@189.95,36.45 192.85,36.45 197.7,31.6 197.7,29.4 198.66,28.44 J5.C25@199.82,28.44
BP_GPIO_36: J5.C26 U8.113 | length 15.6
  Top Layer w0.2: U8.113@189.95,34.95 192.95,34.95 196.7,31.2 196.7,27.9 198.7,25.9 J5.C26@199.82,25.9
BP_PWM1A: J5.A2 U8.180 | length 49.4
  Top Layer w0.2: U8.180@176.25,58.65 176.25,57.25 v1(176.4,57.1)
  Bottom Layer w0.2: v1(176.4,57.1) 176.4,67.1 197.4,88.1 203.52,88.1 J5.A2@204.9,86.72
BP_PWM1B: J5.A3 U8.175 | length 45.8
  Top Layer w0.2: U8.175@178.75,58.65 178.75,57.35 v1(179,57.1)
  Bottom Layer w0.2: v1(179,57.1) 179,67.2 197.4,85.6 203.62,85.6 J5.A3@204.9,84.32
BP_PWM2A: J5.A5 U8.171 | length 39.9
  Top Layer w0.2: U8.171@180.75,58.65 180.75,57.35 v1(181,57.1)
  Bottom Layer w0.2: v1(181,57.1) 181,64.1 197.4,80.5 203.64,80.5 J5.A5@204.9,79.24
BP_PWM2B: J5.A6 U8.168 | length 37.4
  Top Layer w0.2: U8.168@182.25,58.65 182.25,57.15 v1(182.3,57.1)
  Bottom Layer w0.2: v1(182.3,57.1) 182.3,64 196.3,78 203.6,78 J5.A6@204.9,76.7
BP_PWM3A: J5.A8 U8.165 | length 33.8
  Top Layer w0.2: U8.165@183.75,58.65 183.75,57.15 v1(183.8,57.1)
  Bottom Layer w0.2: v1(183.8,57.1) 183.8,64.1 192.6,72.9 203.62,72.9 J5.A8@204.9,71.62
BP_PWM3B: J5.A9 U8.162 | length 31.4
  Top Layer w0.2: U8.162@185.25,58.65 185.25,57.15 v1(185.3,57.1)
  Bottom Layer w0.2: v1(185.3,57.1) 185.3,64.2 191.5,70.4 203.58,70.4 J5.A9@204.9,69.08
BP_PWM4A: J5.A11 U8.159 | length 27.9
  Top Layer w0.2: U8.159@186.75,58.65 186.75,57.15 v1(186.8,57.1)
  Bottom Layer w0.2: v1(186.8,57.1) 186.8,64.4 187.7,65.3 203.6,65.3 J5.A11@204.9,64
BP_PWM4B: J5.A12 U8.154 | length 21.6
  Top Layer w0.25: v1(188.4,55.4) 188.45,55.45 U8.154@189.95,55.45
  Bottom Layer w0.2: v1(188.4,55.4) 191.4,55.4 198.7,62.7 203.66,62.7 J5.A12@204.9,61.46
BP_PWM5A: J5.B2 U8.179 | length 43.5
  Top Layer w0.2: U8.179@176.75,58.65 176.75,67.45 197.4,88.1 201.12,88.1 J5.B2@202.36,86.86
BP_PWM5B: J5.B3 U8.174 | length 40.2
  Top Layer w0.2: U8.174@179.25,58.65 179.25,59.65 179,59.9 179,67.2 197.4,85.6 201.08,85.6 J5.B3@202.36,84.32
BP_PWM6A: J5.B5 U8.170 | length 34
  Top Layer w0.2: U8.170@181.25,58.65 181.25,64.35 197.4,80.5 201.1,80.5 J5.B5@202.36,79.24
BP_PWM6B: J5.B6 U8.167 | length 31.6
  Top Layer w0.2: U8.167@182.75,58.65 182.75,64.45 196.3,78 201.06,78 J5.B6@202.36,76.7
BP_PWM7A: J5.B8 U8.164 | length 28
  Top Layer w0.2: U8.164@184.25,58.65 184.25,64.55 192.6,72.9 201.08,72.9 J5.B8@202.36,71.62
BP_PWM7B: J5.B9 U8.161 | length 25.5
  Top Layer w0.2: U8.161@185.75,58.65 185.75,64.65 191.5,70.4 201.04,70.4 J5.B9@202.36,69.08
BP_PWM8A: J5.B11 U8.158 | length 22
  Top Layer w0.2: U8.158@187.25,58.65 187.25,64.85 187.7,65.3 201.06,65.3 J5.B11@202.36,64
BP_PWM8B: J5.B12 U8.153 | length 16.1
  Top Layer w0.2: U8.153@189.95,54.95 190.95,54.95 198.7,62.7 201.12,62.7 J5.B12@202.36,61.46
BP_PWM9A: J5.C2 U8.178 | length 39
  Top Layer w0.2: U8.178@177.25,58.65 177.25,66.75 197.36,86.86 J5.C2@199.82,86.86
BP_PWM9B: J5.C3 U8.173 | length 35.7
  Top Layer w0.2: U8.173@179.75,58.65 179.75,59.95 179.4,60.3 179.4,66.3 197.42,84.32 J5.C3@199.82,84.32
BP_PWM10A: J5.C5 U8.169 | length 29.8
  Top Layer w0.2: U8.169@181.75,58.65 181.75,64.15 196.84,79.24 J5.C5@199.82,79.24
BP_PWM10B: J5.C6 U8.166 | length 27.3
  Top Layer w0.2: U8.166@183.25,58.65 183.25,64.25 195.7,76.7 J5.C6@199.82,76.7 ; J5.C6@199.81,76.55 J5.C6@199.82,76.56
BP_PWM11A: J5.C8 U8.163 | length 23.8
  Top Layer w0.2: U8.163@184.75,58.65 184.75,64.35 192.02,71.62 J5.C8@199.82,71.62
BP_PWM11B: J5.C9 U8.160 | length 21.3
  Top Layer w0.2: U8.160@186.25,58.65 186.25,64.45 190.88,69.08 J5.C9@199.82,69.08
BP_PWM12A: J5.C11 U8.155 | length 13.6
  Top Layer w0.2: U8.155@189.95,55.95 191.25,55.95 198.3,63 198.3,63.6 198.7,64 J5.C11@199.82,64
BP_PWM12B_BN_PWM: J5.C12 U8.152 | length 13
  Top Layer w0.2: U8.152@189.95,54.45 191.15,54.45 198.16,61.46 J5.C12@199.68,61.46 ; J5.C12@199.82,61.32 J5.C12@199.68,61.46 ; J5.C12@199.82,61.46 J5.C12@199.68,61.46
CPLD_TCK: J7.5 U8.98 | length 165.4
  Top Layer w0.2: J7.5@54.6,33.7 67.5,33.7 84.8,16.4 84.8,13.6 96.7,1.7 173.3,1.7 176.7,5.1 176.7,7.6 180,10.9 180,18.2 184.75,22.95 U8.98@184.75,28.75
CPLD_TDI: J7.9 U8.94 | length 162.8
  Top Layer w0.2: v1(67.8,37.7) 67.8,35.8 86.4,17.2 86.4,14.4 97.5,3.3 169.4,3.3 177.4,11.3 177.4,18 182.75,23.35 U8.94@182.75,28.75
  Bottom Layer w0.2: J7.9@54.6,37.7 v1(67.8,37.7)
CPLD_TDO: J7.7 U8.176 | length 193.6
  Top Layer w0.2: J7.7@54.6,35.7 56.2,34.1 67.7,34.1 85.2,16.6 85.2,13.8 96.9,2.1 173.1,2.1 176.2,5.2 176.2,7.7 179.3,10.8 v1(179.3,16.6)
  Top Layer w0.25: U8.176@178.25,58.65 178.25,30.85 v1(178.3,30.8)
  Bottom Layer w0.25: v1(178.3,30.8) 178.3,17.6 v1(179.3,16.6)
CPLD_TMS: J7.3 U8.96 | length 164.7
  Top Layer w0.2: v1(56.9,34.9) 57.3,34.5 67.9,34.5 85.6,16.8 85.6,14 97.1,2.5 169.8,2.5 178.2,10.9 178.2,17.6 183.75,23.15 U8.96@183.75,28.75
  Bottom Layer w0.2: J7.3@54.6,31.7 55.6,31.7 56.9,33 v1(56.9,34.9)
D+: J6.3 U7.4 | length 17
  Top Layer w0.25: J6.3@59.8,18.25 61.55,20 72,20 74.1,17.9 U7.4@74.1,16.75
D-: J6.2 U7.5 | length 13.3
  Top Layer w0.25: J6.2@62.5,18.25 63.75,19.5 71.8,19.5 73.6,17.7 U7.5@73.6,16.75
D\S\P\_\T\R\S\T\: JP3.2 R4.2 U1.79 | length 8.9
  Top Layer w0.25: v1(121.3,36.8) 121.5,36.8 122.15,37.45 U1.79@124.275,37.45
  Top Layer w0.5: JP3.2@116.4,38.7 v1(117.3,38.7)
  Bottom Layer w0.5: v1(117.3,38.7) 118.35,37.65 120.45,37.65 v1(121.3,36.8)
DAC_A: R167.1 U21.2 | length 6.5
  Top Layer w0.25: R167.1@21.2,28.5 21.2,27.7 21.8,27.1 21.8,24.2 22.4,23.6 U21.2@23.5,23.6
DAC_B: R169.1 U21.3 | length 17.9
  Top Layer w0.25: v1(20.6,26) 21.2,25.4 21.2,23.9 22,23.1 U21.3@23.5,23.1
  Top Layer w0.5: R169.1@12.3,32.2 v1(13.2,32.2)
  Bottom Layer w0.5: v1(13.2,32.2) 13.7,32.7 15.2,32.7 17.6,30.3 17.6,27.5 19.1,26 v1(20.6,26)
DAC_C: R171.1 U21.4 | length 17.6
  Top Layer w0.25: v1(20.6,19.8) 21.2,20.4 21.2,21.8 22,22.6 U21.4@23.5,22.6
  Top Layer w0.5: R171.1@12.3,14 v1(13.2,14)
  Bottom Layer w0.5: v1(13.2,14) 13.7,13.5 15.2,13.5 17.6,15.9 17.6,18.6 18.8,19.8 v1(20.6,19.8)
DAC_D: R173.1 U21.5 | length 6
  Top Layer w0.25: R173.1@21.2,17.7 21.2,18.5 21.8,19.1 21.8,21.5 22.4,22.1 U21.5@23.5,22.1
DAC_OUT_A: C154.2 J11.1 U20.1 U20.2 | length 28.6
  Top Layer w0.5: U20.2@17.439,25.825 17.439,27.039 17.7,27.3 18.7,27.3 18.709,27.291 ; U20.1@18.709,25.825 18.709,27.291 ; 18.709,27.291 19.091,27.291 v1(19.4,27.6) ; v1(19.4,27.6) C154.2@19.4,28.5 v1(19.4,27.6)
  Bottom Layer w0.5: J11.1@4.4,41.1 8.2,41.1 19.4,29.9 v1(19.4,27.6)
DAC_OUT_B: C156.2 J12.1 U20.6 U20.7 | length 12.7
  Top Layer w0.5: C156.2@10.4,28.5 v3(10.4,27.3) v3@11.089,27.3 ; U20.7@11.089,25.825 v3@11.089,27.3 ; U20.6@12.359,25.825 12.359,27.041 12.1,27.3 v3@11.089,27.3
  Bottom Layer w0.5: J12.1@4.4,29.1 8.6,29.1 v3(10.4,27.3)
DAC_OUT_C: C160.2 J13.1 U20.8 U20.9 | length 12.6
  Top Layer w0.5: C160.2@10.4,17.7 v3(10.4,18.9) v3@11.089,18.9 ; U20.8@11.089,20.375 v3@11.089,18.9 ; U20.9@12.359,20.375 12.359,19.359 11.9,18.9 v3@11.089,18.9
  Bottom Layer w0.5: J13.1@4.4,17.1 8.6,17.1 v3(10.4,18.9)
DAC_OUT_D: C163.2 J14.1 U20.13 U20.14 | length 27.6
  Top Layer w0.5: U20.13@17.439,20.375 17.439,19.361 17.9,18.9 18.7,18.9 ; U20.14@18.709,20.375 18.709,18.909 18.7,18.9 ; C163.2@19.4,17.7 v1(19.4,18.6) 19.1,18.9 18.7,18.9
  Bottom Layer w0.5: J14.1@4.4,5.1 8.2,5.1 19.4,16.3 v1(19.4,18.6)
DSP_CLK_OUT: U1.140 U8.44 | length 11.3
  Top Layer w0.2: U1.140@149.525,36.45 150.55,36.45 150.7,36.6 157,36.6 158.67,34.93 160.03,34.93 U8.44@160.05,34.95
DSP_PWM1A: U1.160 U8.18 | length 11.2
  Top Layer w0.2: U1.160@149.5,46.425 U1.160@149.525,46.45 151.85,46.45 153.2,47.8 158.1,47.8 158.25,47.95 U8.18@160.05,47.95
DSP_PWM1B: U1.161 U8.17 | length 11.1
  Top Layer w0.2: U1.161@149.525,46.95 151.75,46.95 153,48.2 157.9,48.2 158.15,48.45 U8.17@160.05,48.45
DSP_PWM2A: U1.162 U8.16 | length 11.1
  Top Layer w0.2: U1.162@149.525,47.45 151.65,47.45 152.8,48.6 157.7,48.6 158.05,48.95 U8.16@160.05,48.95
DSP_PWM2B: U1.163 U8.15 | length 11.1
  Top Layer w0.2: U1.163@149.525,47.95 151.55,47.95 152.6,49 157.5,49 157.95,49.45 U8.15@160.05,49.45
DSP_PWM3A: U1.164 U8.14 | length 11.1
  Top Layer w0.2: U1.164@149.525,48.45 151.45,48.45 152.4,49.4 157.3,49.4 157.85,49.95 U8.14@160.05,49.95
DSP_PWM3B: U1.165 U8.12 | length 11.4
  Top Layer w0.2: U1.165@149.525,48.95 151.35,48.95 152.2,49.8 157.1,49.8 158.25,50.95 U8.12@160.05,50.95
DSP_PWM4A: U1.166 U8.10 | length 11.6
  Top Layer w0.2: U1.166@149.525,49.45 151.25,49.45 153.2,51.4 157.35,51.4 157.9,51.95 U8.10@160.05,51.95
DSP_PWM4B: U1.167 U8.9 | length 11.6
  Top Layer w0.2: U1.167@149.525,49.95 151.15,49.95 153,51.8 157.05,51.8 157.7,52.45 U8.9@160.05,52.45